# Altium PCB Reefing.PcbDoc (part 1 of 2) (continued)
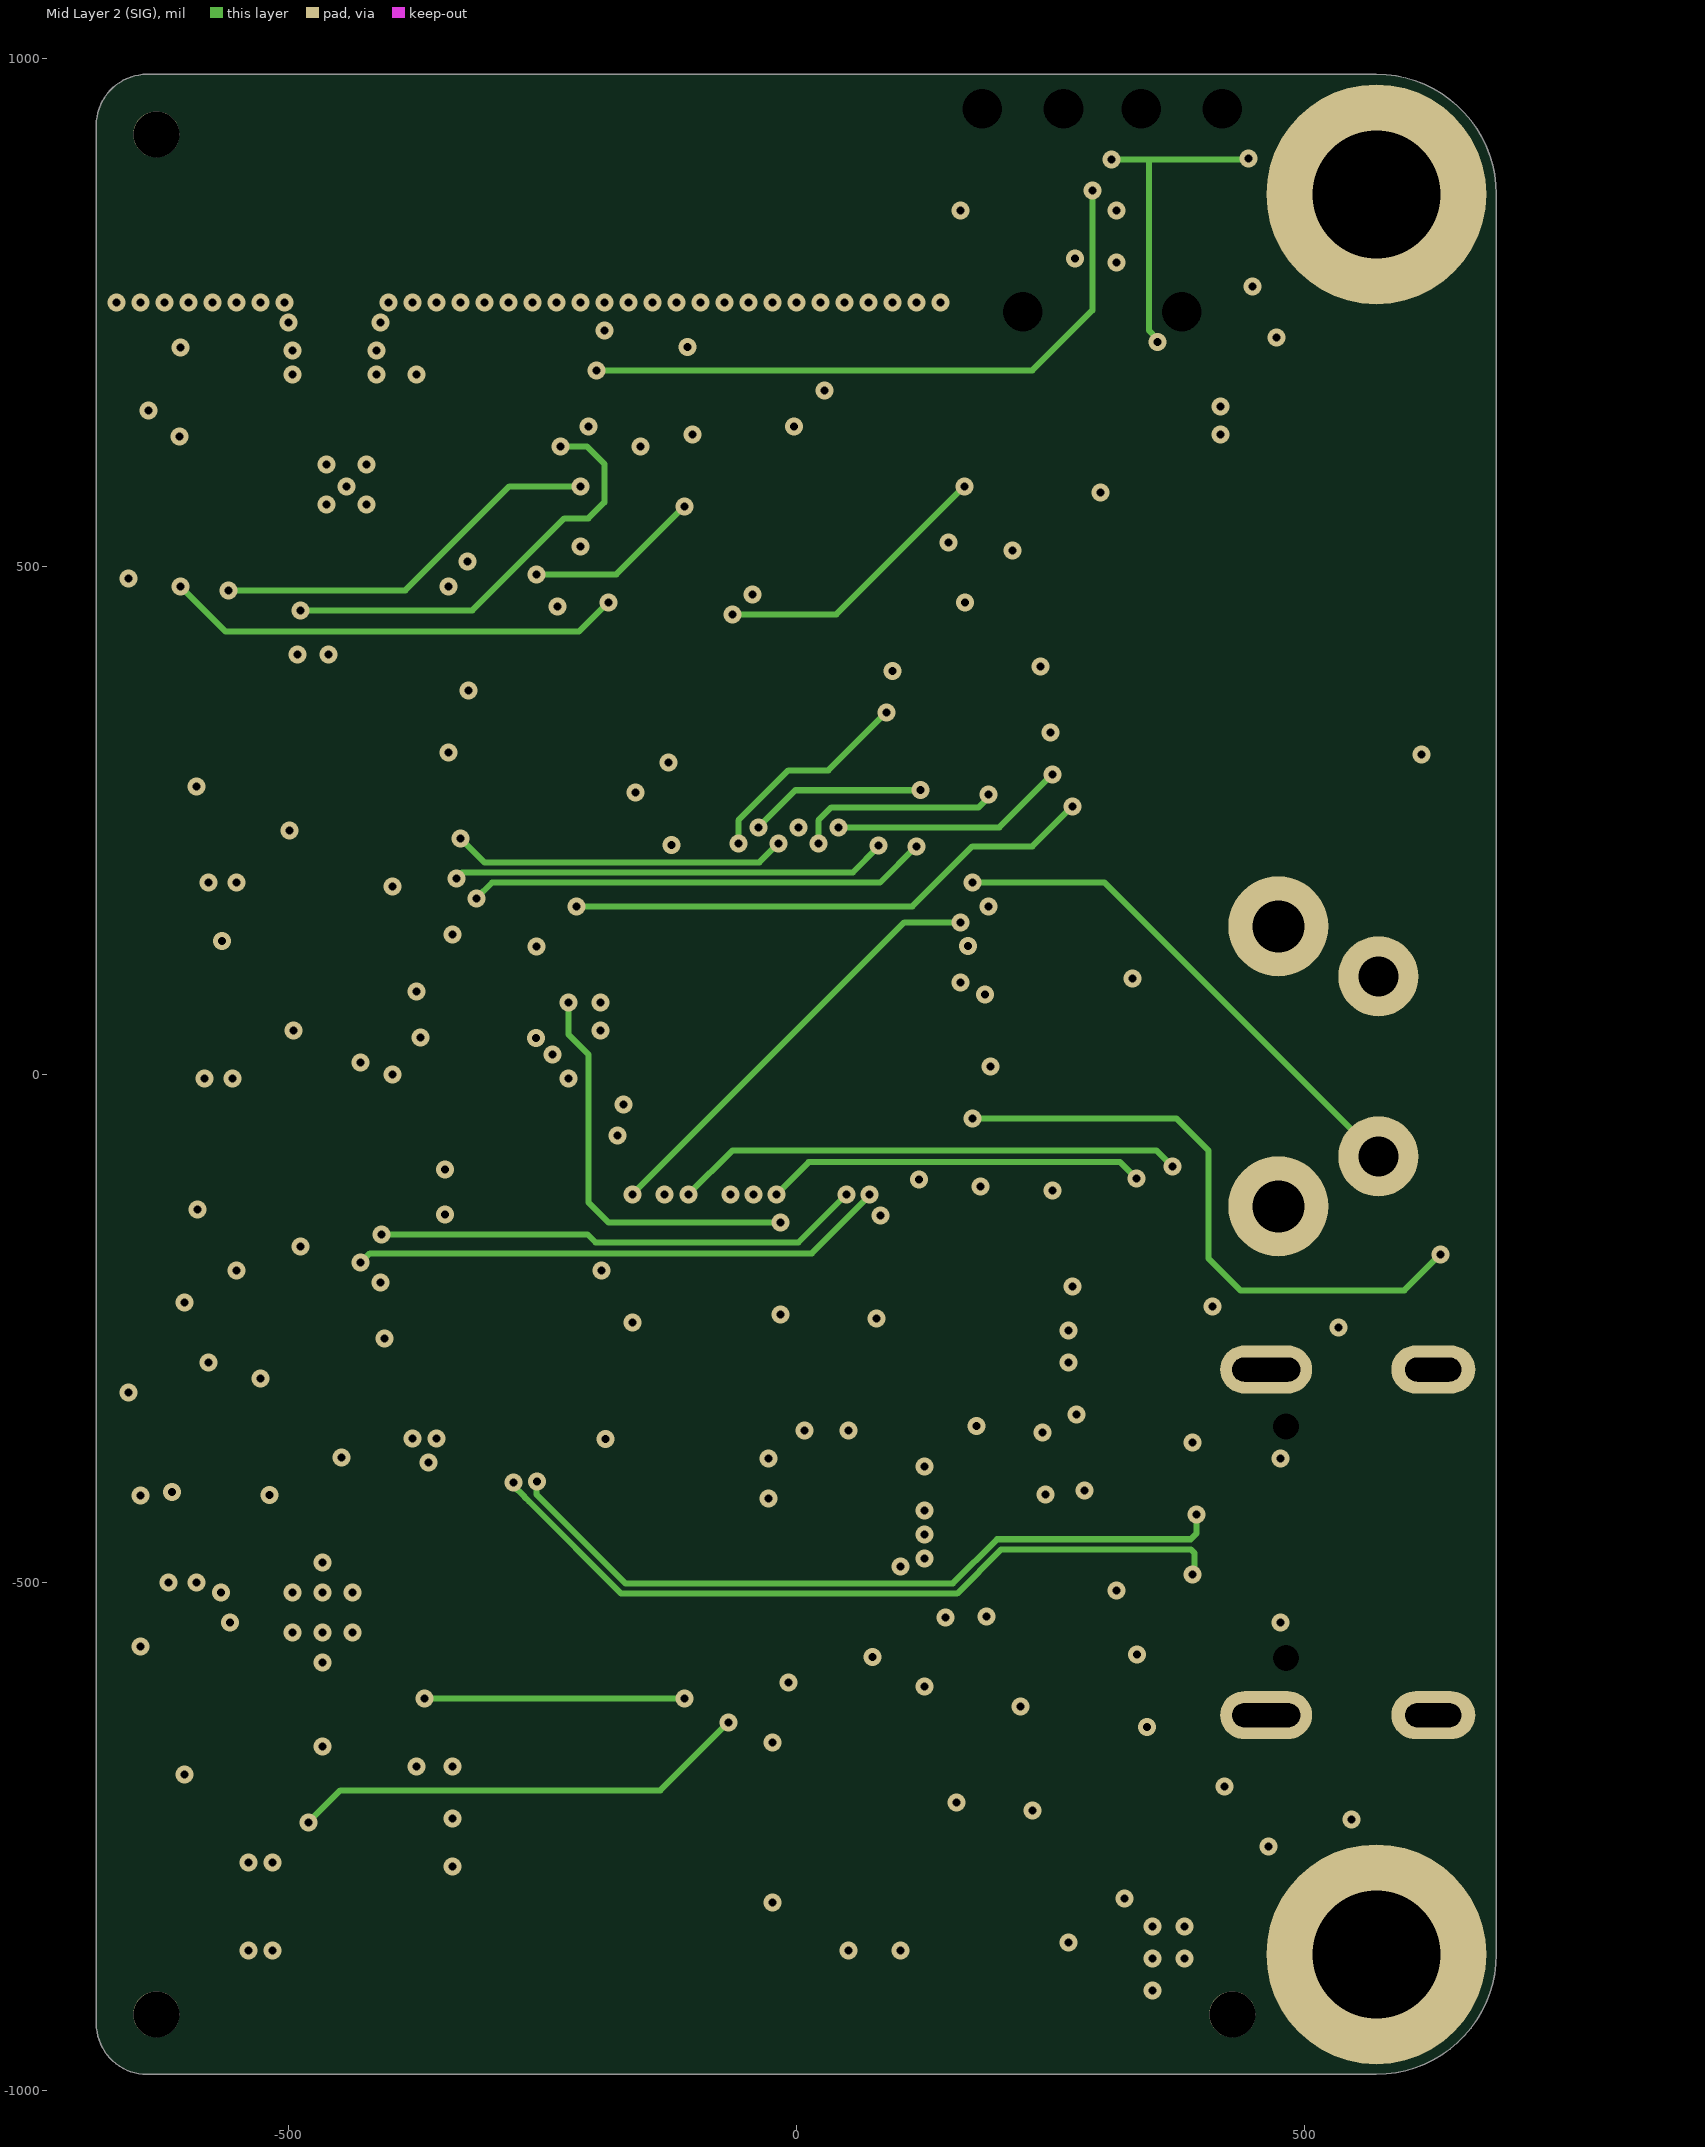
[diagram p3: Mid Layer 2 (SIG)]
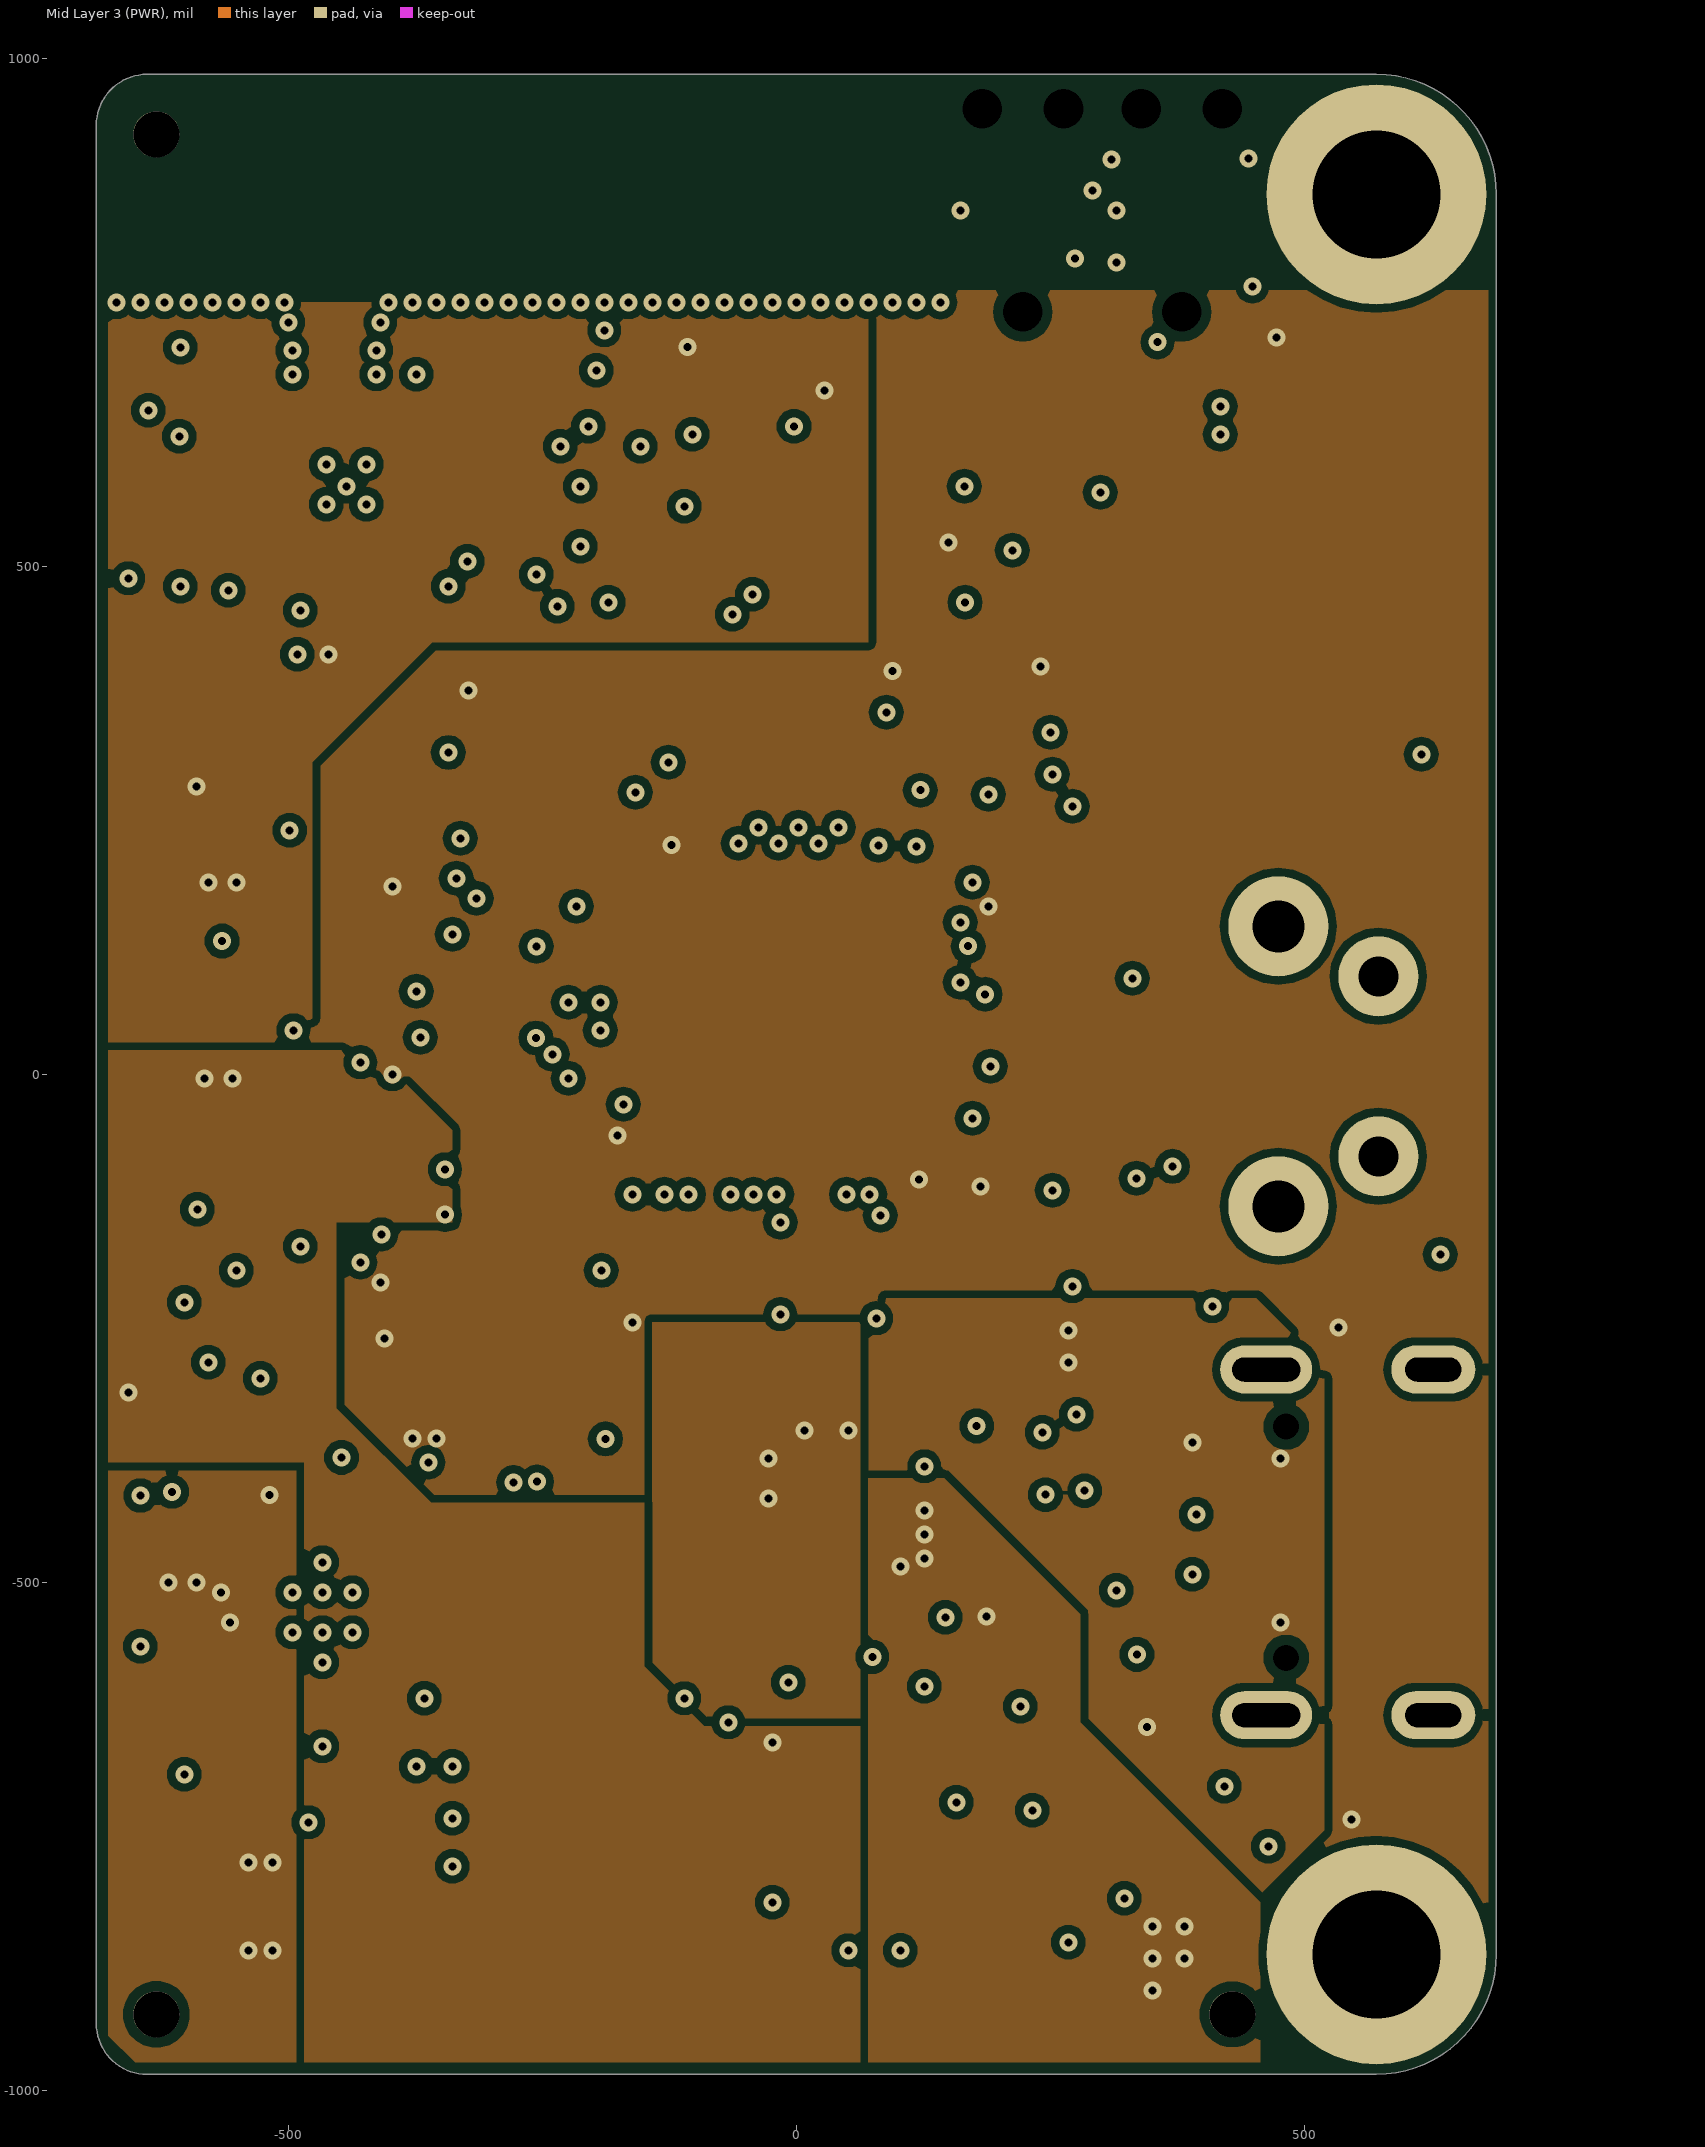
[diagram p4: Mid Layer 3 (PWR)]
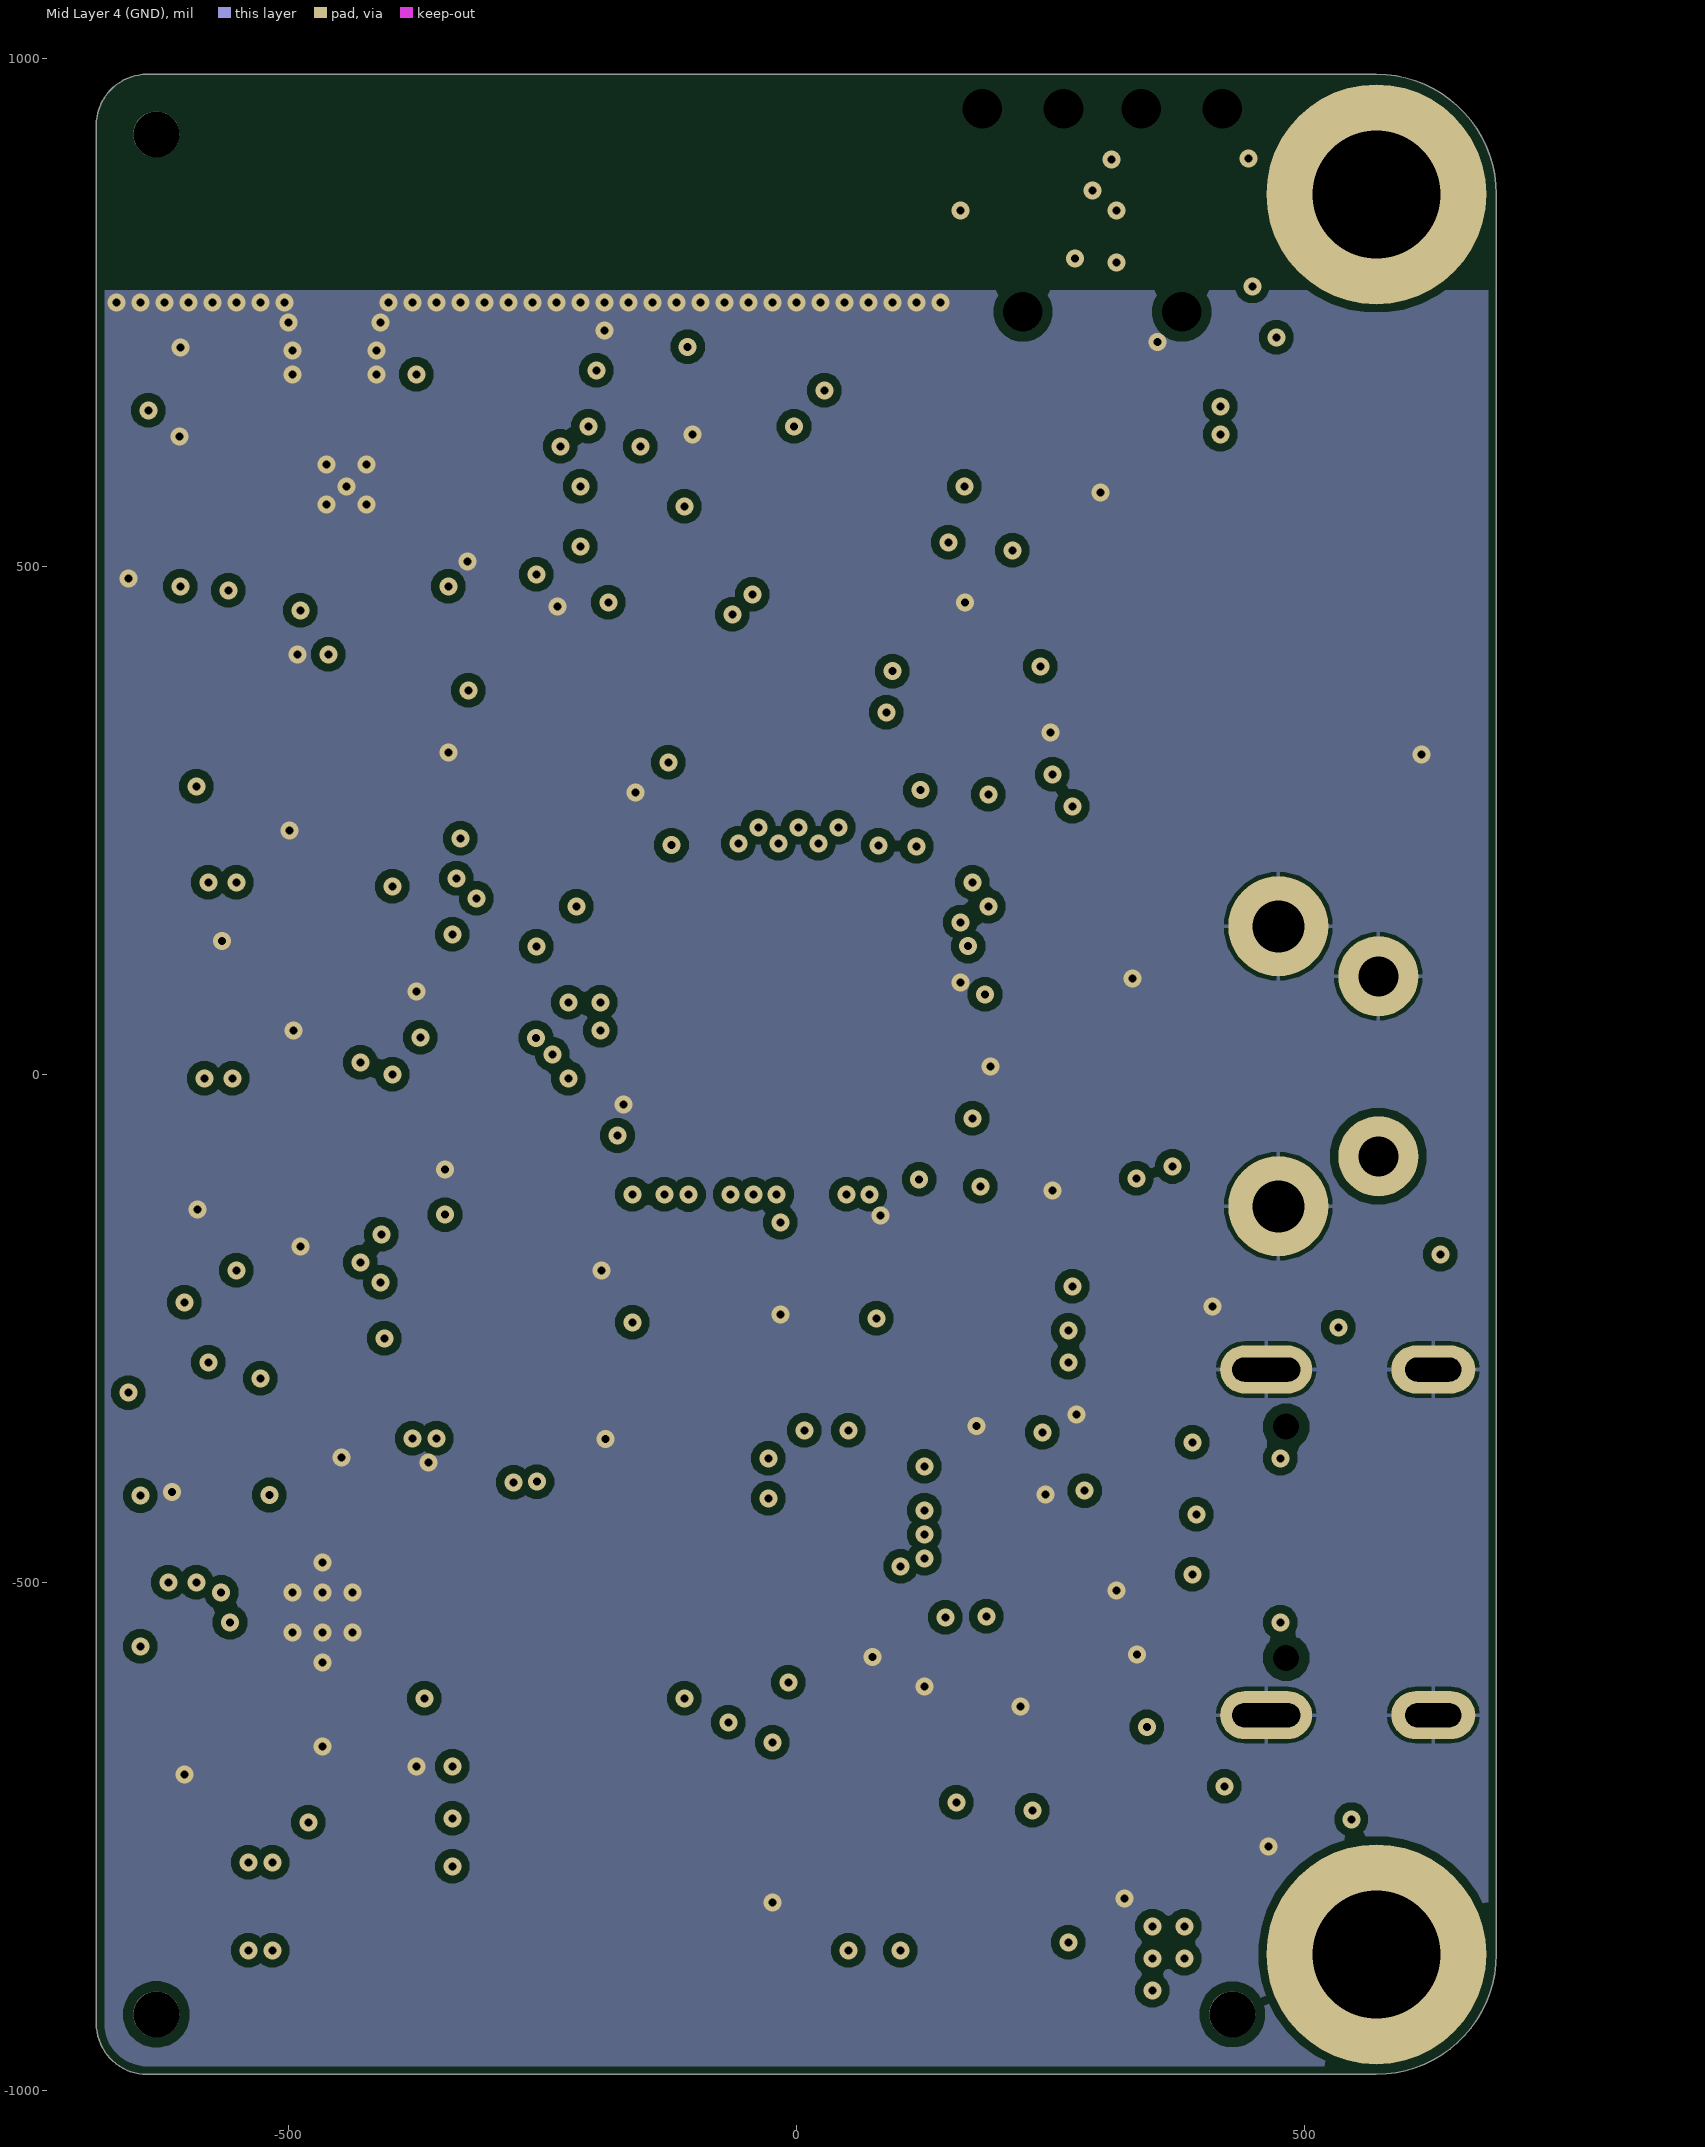
[diagram p5: Mid Layer 4 (GND)]
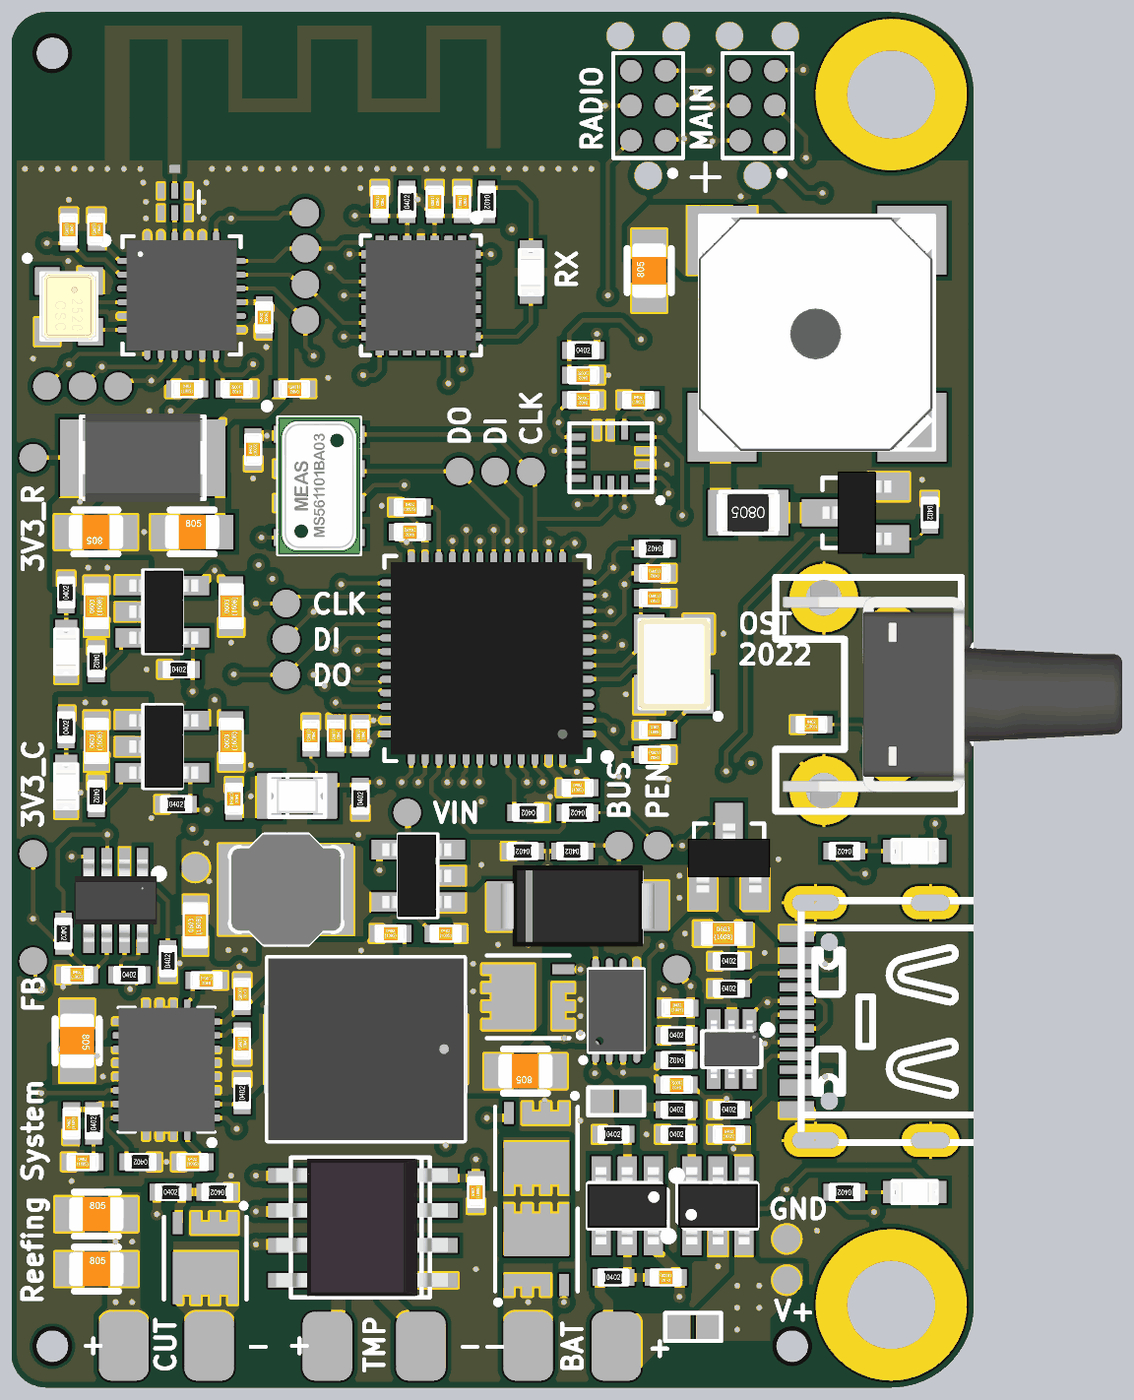
[diagram p7: 3D render of the assembled board from above, using the file's embedded part models]

## Layer stack, top to bottom
Top Solder: solder mask 0.5, Solder Resist, Dk 3.8
Top Layer: signal copper 1.378
Dielectric 1: prepreg 3.937, 2313, Dk 4.05
Mid Layer 1 (GND): signal copper 0.689
Core 1: core 22.2441, FR-4, Dk 4.5
Mid Layer 2 (SIG): signal copper 0.689
Dielectric 2: prepreg 5, 2116, Dk 4.25
Mid Layer 3 (PWR): signal copper 0.689
Core 2: core 22.2441, FR-4, Dk 4.5
Mid Layer 4 (GND): signal copper 0.689
Dielectric 3: prepreg 3.937, 2313, Dk 4.05
Bottom Layer: signal copper 1.378
Bottom Solder: solder mask 0.5, Solder Resist, Dk 3.8

## Board outline
-688.98,-934.25 -688.98,934.25 cw(c-638.98,934.25) -638.98,984.25 570.87,984.25 cw(c570.87,866.14) 688.98,866.14 688.98,-866.14 cw(c570.87,-866.14) 570.87,-984.25 -638.98,-984.25 cw(c-638.98,-934.25)

## Design rules (kind name [scope] priority, off if disabled: settings)
BoardOutlineClearance [All] p1: gap=8 ignorepadtopadclearanceinfootprint=FALSE
Clearance Clearance_1 [InPolygon] p1: gap=8 ignorepadtopadclearanceinfootprint=FALSE except(9.84: Arc-Hole Track-Hole SMDPad-Hole THPad-Hole Via-Hole Fill-Hole Poly-Hole Region-Hole Text-Hole)
Clearance [All] p2: gap=4 ignorepadtopadclearanceinfootprint=FALSE except(5: Arc-Via Track-Via SMDPad-Via THPad-Via Via-Via Via-Fill Via-Poly Via-Region Via-Text; 8: Arc-Hole Track-Hole SMDPad-Hole THPad-Hole Via-Hole Fill-Hole Poly-Hole Region-Hole Text-Hole)
ComponentClearance [All] p1: gap=4 collisioncheckmode=3 verticalgap=4 showdistances=TRUE
DiffPairsRouting [All] p1: maxlimit=4 minlimit=4 mostfreqgap=4 toplayer_minwidth=4 toplayer_maxwidth=71497.94 toplayer_prefwidth=4 midlayer1_minwidth=4 midlayer1_maxwidth=71497.94 midlayer1_prefwidth=4 midlayer2_minwidth=4 midlayer2_maxwidth=71497.94 midlayer2_prefwidth=4 midlayer3_minwidth=4 midlayer3_maxwidth=71497.94 midlayer3_prefwidth=4 midlayer4_minwidth=4 midlayer4_maxwidth=71497.94 midlayer4_prefwidth=4 bottomlayer_minwidth=4 bottomlayer_maxwidth=71497.94 bottomlayer_prefwidth=4 maxuncoupledlength=500
Height [All] p1: minheight=0 maxheight=71497.94 prefheight=500
HoleSize [All] p1: absolutevalues=TRUE maxlimit=248.03 minlimit=7.87 maxpercent=80.000 minpercent=20.000
HoleToHoleClearance [All] p1: gap=9.84 allowstackedmicrovias=FALSE
MaxMinImpedance "Schematic Impedance Constraint" [InNetClass('RF-Line 50')] p1: minimum=50.00 maximum=50.00
MinimumAnnularRing [All] p1: minimumring=3
MinimumSolderMaskSliver [All] p1: minsoldermaskwidth=0
NetAntennae NetAntennae_1 [InNet('NetANT1_1')] p1: netantennaetolerance=600
NetAntennae [All] p2: netantennaetolerance=0
PlaneClearance [All] p1: clearance=6
PlaneConnect PlaneConnectPowerPads [InPadClass('PowerPads')] p1: planeconnectstyle=Direct reliefexpansion=20 reliefentries=4 reliefconductorwidth=10 reliefairgap=10
PlaneConnect [All] p2: pad.planeconnectstyle=Relief pad.reliefexpansion=11.81 pad.reliefentries=4 pad.reliefconductorwidth=4 pad.reliefairgap=4 via.planeconnectstyle=Direct via.reliefexpansion=11.81 via.reliefentries=4 via.reliefconductorwidth=5 via.reliefairgap=5
PolygonConnect PolygonConnectPowerPads [All vs (InPadClass('PowerPads'))] p1: connectstyle=Direct reliefconductorwidth=10 reliefentries=4 polygonreliefangle="90 Angle" airgapwidth=10
PolygonConnect [All] p2: thpad.connectstyle=Relief thpad.reliefconductorwidth=4 thpad.reliefentries=4 thpad.polygonreliefangle="90 Angle" thpad.airgapwidth=4 smdpad.connectstyle=Direct smdpad.reliefconductorwidth=4 smdpad.reliefentries=4 smdpad.polygonreliefangle="90 Angle" smdpad.airgapwidth=4 via.connectstyle=Direct via.reliefconductorwidth=5 via.reliefentries=4 via.polygonreliefangle="90 Angle" via.airgapwidth=5
RoutingVias [All] p1: holewidth=7.87 width=17.72 viastyle="Through Hole" minholewidth=7.87 minwidth=17.72 maxholewidth=248.03 maxwidth=257.87
ShortCircuit ShortCircuit_1 [InNet('NetANT1_1')] p1: allowed=TRUE
ShortCircuit [All] p2: allowed=FALSE
SilkToSilkClearance [All] p1: silktosilkclearance=0
SilkToSolderMaskClearance [IsPad] p1: minsilkscreentomaskgap=0 clearancetoexposedcopper=TRUE
SolderMaskExpansion [All] p1: expansion=2.95 istentingtop=FALSE
Width [All] p1: maxlimit=71497.94 minlimit=4 preferedwidth=4
18 further rules are at their usual default settings.

## Classes and differential pairs
net class "RF-Line 50": NetANT1_1 NetFL1_2
component class U_Reefing-USB: D2 R31 R32 R33 R34 X9
component class U_Reefing-Thermocouple: C45 U14
component class U_Reefing-Telemetry: C42 C43 L3
component class U_Reefing-Radio: ANT1 C34 C37 C38 C39 C40 C41 FL1 Q7 TP18 TP19 TP20 TP21 TP22 TP23 TP24 U12
component class U_Reefing-Radio_MCU: C15 C16 C17 P3 R13 R14 U5 X8
component class U_Reefing-PSU: C18 C19 C20 C21 C22 C23 C24 C25 C26 C27 C28 C29 C30 L1 L2 Q6 R15 R16 R17 R18 R19 R20 R21 R23 TP13 TP14 U6 U7 U8
component class U_Reefing-PD: C31 C32 C35 C36 P4 P6 R22 R24 R25 R28 R29 R30 TP15 TP17 U9 U11
component class U_Reefing-MCU: C1 C2 C3 C4 C5 C6 C7 C8 C9 C10 P1 Q1 R1 R2 R3 TP1 TP2 TP3 TP4 TP5 TP6 U1 X7
component class U_Reefing-IO: C48 C49 C51 C52 LS1 Q8 Q9 R35 R36 R37 R38 S2
component class U_Reefing-IMU: C46 C47 U15
component class U_Reefing-BM: C11 C12 C13 C14 C33 C50 D1 JP1 JP2 P2 Q2 Q3 Q4 Q5 R4 R5 R6 R7 R8 R9 R10 R11 R12 TP7 TP8 TP9 TP10 TP11 TP12 U2 U3 U4
component class U_Reefing-Barometer: C44 U13
component class Reefing-Overview: X1 X2 X3 X4 X5 X6
differential pair USB_D: +USB_D_P -USB_D_N
